# Altium PCB TransceiverBoard.PcbDoc (part 2 of 2)
Units mm, origin at the board's own origin, x right, y up, seen from the top; angles counter-clockwise.
Board outline 34 x 75.5 mm, 4 copper layers (Top Layer, Layer 2, Layer 1, Bottom Layer), stack 1.587 mm thick; 121 components, 81 nets, 431 pads, 226 vias.
Unrouted connection lines stored in the file: 2.
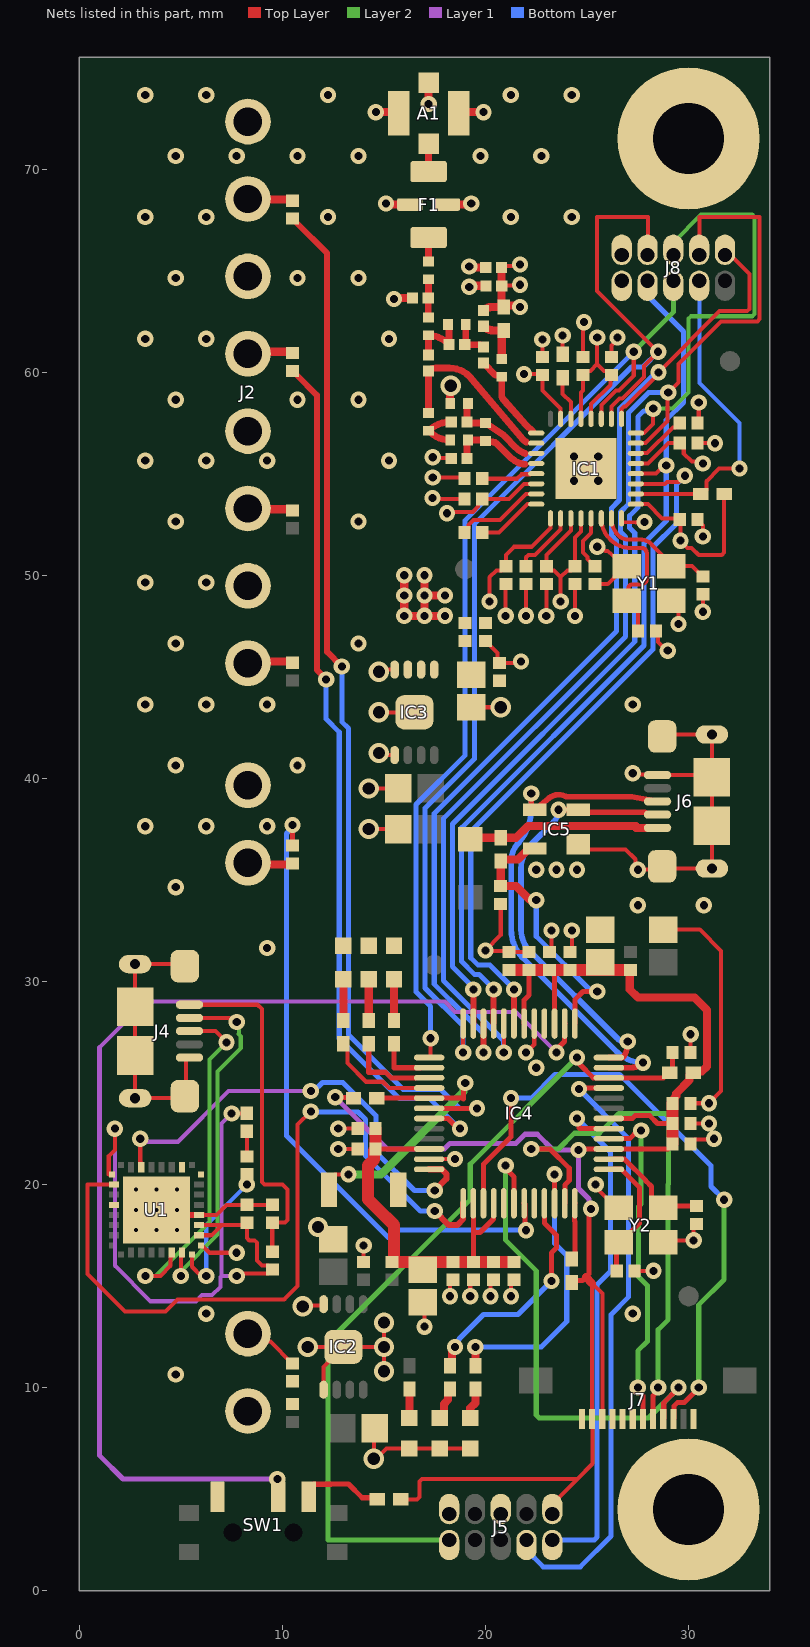
[diagram p4: the nets of this part, all layers, seen from the top]

## Via types
v1: diameter 0.8, hole 0.4, Top Layer to Bottom Layer, 199 vias
v2: diameter 1, hole 0.6, Top Layer to Bottom Layer, 14 vias
v3: diameter 0.5, hole 0.2, Top Layer to Bottom Layer, tented top, 9 vias
v4: diameter 0.8/0.8/0.8/0.8 (per signal layer), hole 0.4, Top Layer to Bottom Layer, 4 vias

## Nets (pads, with @x,y where several pads share a name; then routed paths per layer and width w, separated by ;. In a path a pad name is that pad's centre, name@x,y a point inside that pad or via, vN(x,y) a via of type N, cw(c..) or ccw(c..) an arc to the next point about the centre after c; other vN are vias at no path point) (continued)
ADC_IN2: FB6.2 IC4.7 | length 43.4
  Top Layer w0.25: IC4.7@17.225,23.25 17.231,23.244 18.148,23.244 18.643,22.75 v1(18.75,22.75)
  Top Layer w0.3: FB6.2@10.5,60.06 10.52,60.06 10.67,59.91 10.67,59.89 11.7,58.86 11.7,45.344 12.153,44.892 v1(12.153,44.869)
  Bottom Layer w0.25: v1(12.153,44.869) 12.153,42.92 12.8,42.273 12.8,27.189 15.764,24.225 17.25,24.225 18.725,22.75 v1(18.75,22.75)
ADC_IN3: FB7.2 IC4.6 | length 51.5
  Top Layer w0.25: IC4.6@17.225,23.75 18.912,23.75 v1(19.584,23.75)
  Top Layer w0.3: FB7.2@10.5,67.56 10.52,67.56 10.67,67.41 10.67,67.39 12.2,65.86 12.2,46.229 v1(12.926,45.503)
  Bottom Layer w0.25: v1(12.926,45.503) 12.926,42.784 13.25,42.459 13.25,27.375 15.318,25.307 15.95,24.675 17.8,24.675 18.725,23.75 v1(19.584,23.75)
BALUN_OUT: C18.2 L1.2 L3.1 | length 4.8
  Top Layer w0.335: C18.2@18.31,57.55 C18.2@18.262,57.55 ; L3.1@17.2,57.11 cw(c18.262,56.048) C18.2@18.262,57.55 ; L3.1@17.2,57.11 cw(c18.262,56.048) C18.2@18.262,57.55 ; L3.1@17.2,57.11 L3.1@17.236,57.074 ; L3.1@17.2,57.11 L3.1@17.236,57.074 ; L3.1@17.236,57.074 ccw(c18.26,58.099) L1.2@18.26,56.65 cw(c18.26,58.099) L3.1@17.236,57.074
CC_GP0: IC1.10 IC4.48 J8.4 | length 58.1
  Top Layer w0.2: v1(18.9,26.5) IC4.48@18.9,27.925 ; IC1.10@26.2,57.7 26.2,58.3 26.6,58.7 26.734,58.7 27.8,59.766 27.8,60.3 v1(28.5,61) 25.5,64 25.5,67.633 28,67.633 J8.4@28,66.02
  Bottom Layer w0.25: v1(18.9,26.5) 18.9,27.801 17.025,29.676 17.025,38.525 19.45,40.95 19.45,52.514 27.186,60.25 27.75,60.25 v1(28.5,61)
CC_GP2: IC1.4 IC4.45 J8.3 | length 44.5
  Top Layer w0.2: IC1.4@27.4,55 28.393,55 28.793,55.4 v1(28.9,55.4)
  Top Layer w0.3: IC4.45@20.4,27.925 v1(20.4,29.6)
  Bottom Layer w0.25: v1(20.4,29.6) 20.4,29.625 19.675,30.35 19.45,30.35 18.825,30.975 18.825,37.567 27.8,46.542 27.8,51.575 28.9,52.675 28.9,54.364 v1(28.9,55.4) 28.9,57.65 29.75,58.5 29.75,62 28,63.75 J8.3@28,64.75
CC_GP3: IC1.3 IC4.43 | length 35.1
  Top Layer w0.2: IC1.3@27.4,54.5 28.826,54.5 28.926,54.6 29.514,54.6 v1(29.814,54.9)
  Top Layer w0.3: IC4.43@21.4,27.925 v1(21.4,29.6)
  Bottom Layer w0.25: v1(21.4,29.6) 21.4,29.625 20.225,30.8 19.636,30.8 19.275,31.161 19.275,37.381 28.1,46.206 28.25,46.356 28.25,51.388 29.4,52.538 29.4,54.479 29.814,54.893 v1(29.814,54.9)
CC_MISO: IC1.9 IC4.46 J8.10 | length 53
  Top Layer w0.2: IC1.9@26.7,57.7 26.7,58.183 26.817,58.3 26.9,58.3 28.513,59.913 v1(28.513,59.987) 31.525,63 32.883,63 33,63.117 33,64.83 J8.10@31.81,66.02
  Top Layer w0.3: v1(19.9,26.5) IC4.46@19.9,27.925
  Bottom Layer w0.25: v1(19.9,26.5) 19.9,27.438 18.913,28.425 17.475,29.863 17.475,38.268 26.45,47.243 26.45,51.702 26.2,51.952 26.2,53.3 26.6,53.7 26.6,58.202 28.386,59.987 v1(28.513,59.987)
CC_MOSI: IC1.7 IC4.44 J8.8 | length 60.1
  Top Layer w0.2: v1(20.9,26.5) IC4.44@20.9,27.925 ; IC1.7@27.4,56.5 27.41,56.51 27.888,56.51 28.96,57.581 28.96,58.96 v1(29,59) 29.5,59.5 29.5,60.409 31.591,62.5 33.383,62.5 33.5,62.617 33.5,67.633 30.54,67.633 J8.8@30.54,66.02
  Bottom Layer w0.25: v1(20.9,26.5) 20.889,26.511 20.889,27.085 17.925,30.049 17.925,38.011 26.9,46.986 26.9,51.888 26.65,52.138 26.65,53.114 27.05,53.514 27.05,58.015 28.035,59 v1(29,59)
CC_RESET: IC1.2 J8.7 R1.1 | length 16.2
  Top Layer w0.2: IC1.2@27.4,54 R1.1@30.6,54 30.675,54 30.875,54.2 30.875,54.625 31.5,55.25 v1(32.5,55.25)
  Bottom Layer w0.2: J8.7@30.54,64.75 30.54,59.46 32.5,57.5 v1(32.5,55.25)
CC_SCLK: IC1.8 IC4.47 J8.6 | length 55.8
  Top Layer w0.2: IC1.8@27.4,57 27.41,57.01 27.81,57.01 28.247,57.447 28.247,58.187 v1(28.26,58.2)
  Top Layer w0.3: IC4.47@19.4,27.925 v1(19.4,29.6)
  Layer 1 w0.2: v1(28.26,58.2) v1@28.3,58.2
  Layer 2 w0.2: v1(28.26,58.2) 29.2,58.2 30,59 30,62.633 30.117,62.75 33.133,62.75 33.25,62.867 33.25,67.633 33.133,67.75 32.503,67.75 30.614,67.75 29.27,66.406 J8.6@29.27,66.02
  Bottom Layer w0.25: v1(19.4,29.6) 19.4,29.7 18.375,30.725 18.375,37.754 27.35,46.729 27.35,52.075 27.1,52.325 27.1,52.927 27.5,53.327 27.5,57.8 27.795,58.095 28.155,58.095 v1(28.26,58.2)
CC_SSEL: IC1.11 IC4.1 J8.5 | length 47.9
  Top Layer w0.2: IC4.1@17.225,26.25 17.263,26.25 17.3,26.287 v1(17.3,27.2) ; IC1.11@25.7,57.7 25.71,57.71 25.71,58.375 26.434,59.1 26.569,59.1 27.3,59.831 v1(27.3,61)
  Layer 2 w0.25: v1(27.3,61) 29.25,62.95 J8.5@29.25,64.5 ; J8.5@29.25,64.73 J8.5@29.27,64.75
  Bottom Layer w0.25: v1(17.3,27.2) 17.3,28.765 16.575,29.49 16.575,38.711 19,41.136 19,52.7 v1(27.3,61)
DAC_OUT: FB9.2 IC4.19 | length 31.8
  Top Layer w0.25: FB9.2@10.5,36.69 v1(10.5,37.7) ; IC4.19@21.9,19.075 21.935,19.04 21.935,17.815 v1(22,17.75)
  Bottom Layer w0.25: v1(10.5,37.7) 10.5,37.579 10.2,37.279 10.2,22.4 15.2,17.4 15.55,17.75 v1(22,17.75)
DCPL: C15.2 IC1.6 | length 2.8
  Top Layer w0.2: IC1.6@27.4,56 27.41,56.01 27.954,56.01 29.224,57.28 29.36,57.28 29.56,57.48 C15.2@29.56,57.5
DCPL_PFD: C17.2 IC1.26 | length 3.2
  Top Layer w0.2: C17.2@22,50.44 22,50.883 22.117,51 22.434,51 23.69,52.256 23.69,52.79 IC1.26@23.7,52.8
DCPL_VCO: C16.2 IC1.21 | length 2.8
  Top Layer w0.2: C16.2@19.84,54.75 21.55,54.75 21.77,54.97 22.181,54.97 22.211,55 IC1.21@22.5,55
DCPL_XO: C10.2 IC1.29 | length 2.8
  Top Layer w0.2: IC1.29@25.2,52.8 25.2,52.09 24.8,51.69 24.8,51.11 25.02,50.89 25.02,50.8 25.38,50.44 C10.2@25.4,50.44
GND: A1.G C1.1 C2.1 C3.1 C4.1 C5.1 C6.1 C7.1 C8.1 C9.1 C10.1 C11.1 C12.1 C13.2 C15.1 C16.1 C17.1 C21.1 C24.1 C25.1 C26.1 C27.1 C28.1 C29.1 C30.1 C31.1 C32.1 C33.1 C34.1 C35.1 C36.1 C37.1 C38.1 C39.1 C40.1 C41.1 C42.1 C43.1 C44.1 C45.1 C46.1 C47.1 C48.1 C49.1 C50.1 C51.1 C52.1 C53.1 C54.1 C55.1 C56.1 C57.1 C58.1 D2.2 D3.2 D4.2 DS1.2 DS2.2 DS3.2 F1.2 F1.4 IC1.32 IC1.33 IC2.4 IC2.5 IC2.9 IC3.4 IC3.5 IC3.9 IC4.11 IC4.17 IC4.20 IC4.40 IC4.41 IC5.1 J1.2 J2.2 J2.4 J2.6 J2.8 J3.2 J4.5 J4.S J5.5 J5.9 J6.5 J6.S J7.1 J7.7 J7.8 J7.9 J7.12 J8.1 L4.2 pad.M R2.2 SW1.1 SW3.2 U1.4 U1.17 U1.20 U1.24 U1.26 U1.33 Y1.2 Y1.4 Y2.2 Y2.4 | length 148.7
  Top Layer w0.2: J4.S@5.2,30.75 5.1,30.85 J4.S@2.75,30.85 J4.S@2.75,28.75 J4.S@2.75,26.35 J4.S@2.75,24.25 5.1,24.25 J4.S@5.2,24.35 5.25,24.4 5.25,26.158 5.342,26.25 J4.5@5.425,26.25 ; U1.20@5.9,18.5 6.75,18.5 7.25,19 C56.1@8.25,19 C55.1@9.5,19 ; U1.17@6,17 6.05,17 6.411,16.639 v1(7.748,16.639) ; C57.1@8.25,21.38 C58.1@8.25,22.62 ; J1.2@8.302,12.655 8.694,12.263 9.407,12.263 10.48,11.19 C29.1@10.5,11.19 ; v2(11,14) 11.053,14.052 11.972,14.052 IC2.4@12.025,14.105 ; v2(11.25,12) IC2.9@13,12 ; v2(11.75,17.906) 12.356,17.3 C27.1@12.5,17.3 ; IC2.5@12.025,9.895 12.025,11.017 13,11.992 IC2.9@13,12 ; v1(12.75,21.75) C45.1@13.71,21.75 ; v1(12.75,22.75) C44.1@13.71,22.75 ; C28.1@14,16.19 v1(14,17) ; v2(14.25,37.5) C30.1@15.7,37.5 ; v2(14.25,39.5) C31.1@15.7,39.5 ; C26.1@14.55,8 ccw(c14.55,7.95) 14.5,7.95 v2(14.5,6.5) 14.631,6.5 15.131,7 D3.2@17.75,7 D4.2@19.25,7 ; v2(14.75,43.25) IC3.9@16.5,43.25 ; v2(14.75,45.25) cw(c14.855,45.25) 14.855,45.355 IC3.4@15.525,45.355 ; v2(15,10.8) v2(15,12) ; v2(15,13.2) v2(15,12) ; IC3.5@15.525,41.145 v2@14.855,41.145 ; C43.1@16.9,14.2 17,14.1 v1(17,13) ; IC4.11@17.225,21.25 v1(18.5,21.25) ; v1(17.393,53.807) 17.45,53.75 C6.1@18.96,53.75 ; v1(17.401,54.807) 18.903,54.807 C16.1@18.96,54.75 ; v1(17.4,55.807) 17.429,55.779 18.281,55.779 C13.2@18.31,55.75 ; v1(18.25,14.5) 18.25,15.16 C49.1@18.4,15.31 ; v1(19.25,14.5) 19.25,15.16 C48.1@19.4,15.31 ; C32.1@19.3,43.5 v2(20.75,43.5) ; C34.1@20,46.76 20.02,46.76 20.22,46.56 20.22,46.54 20.597,46.163 20.597,45.783 C33.1@20.7,45.68 21.68,45.68 ccw(c21.68,45.75) v1(21.75,45.75) ; v1(20.25,14.5) 20.25,15.16 C46.1@20.4,15.31 ; C54.1@20.75,33.81 20.75,32.275 v1(20,31.525) 20.025,31.5 21.09,31.5 C41.1@21.15,31.44 C38.1@22.15,31.44 ; IC4.17@20.9,19.075 IC4.17@20.915,19.09 ; v1(20.993,48) 20.993,49.553 C3.1@21,49.56 ; v1(21.25,14.5) 21.25,15.16 C47.1@21.4,15.31 ; v1(21.993,48) 21.993,49.553 C17.1@22,49.56 ; v1(22,26.5) 22.4,26.9 IC4.41@22.4,27.925 ; IC4.20@22.4,19.075 IC4.20@22.415,19.09 ; v1(22.5,25.75) v1@22.5,25.794 ; C9.1@22.8,60.74 v1(22.8,61.6) ; v1(22.993,47.993) 22.993,49.553 C4.1@23,49.56 ; C40.1@23.15,31.44 23.25,31.54 v1(23.25,32.5) ; R2.2@23.8,60.875 v1(23.8,61.8) ; C39.1@24.15,31.44 24.25,31.54 v1(24.25,32.5) ; C1.1@24.4,49.56 24.407,49.553 v1(24.407,47.993) ; IC5.1@24.575,36.75 IC5.1@24.65,36.75 ; C8.1@24.8,60.74 24.8,62.41 v1(24.849,62.459) ; IC5.1@25,36.5 26.9,36.5 27.385,36.015 27.385,35.615 v1(27.5,35.5) 28.536,35.5 J6.S@28.696,35.66 28.796,35.56 J6.S@31.146,35.56 J6.S@31.146,37.66 J6.S@31.146,40.06 ; C10.1@25.4,49.56 26.02,49.56 26.35,49.89 26.35,49.95 Y1.4@26.85,50.45 ; v1(25.425,20) 25.498,20 25.615,19.883 25.615,19.685 26.45,18.85 Y2.2@26.55,18.85 ; C36.1@25.5,32.7 C36.1@25.65,32.55 ; v1(25.5,51.4) 25.7,51.4 25.9,51.2 26.017,51.2 Y1.4@26.85,50.45 ; C5.1@26.2,60.74 26.2,61.306 26.5,61.606 v1(26.5,61.7) v1@26.615,61.815 ; J8.1@26.615,64.635 J8.1@26.73,64.75 ; IC1.32@26.7,52.8 26.7,52.621 27.4,52.6 27.8,52.6 v1(27.825,52.625) ; Y1.4@26.95,50.45 Y1.4@26.85,50.45 ; v1(27.25,40.25) 27.302,40.198 28.433,40.198 J6.5@28.471,40.16 31.046,40.16 J6.S@31.146,40.06 ; C52.1@27.34,15.75 28.25,15.75 28.253,15.747 v1(28.268,15.747) ; C11.1@28.39,47.25 28.5,47.14 28.5,46.717 28.931,46.286 v1(28.972,46.286) ; C35.1@28.65,32.6 28.5,32.75 C35.1@28.75,33 ; J6.S@28.696,42.06 28.796,42.16 J6.S@31.146,42.16 J6.S@31.146,40.06 ; Y2.4@28.75,17.15 28.85,17.25 v1(30.25,17.25) 30.25,17.91 C51.1@30.4,18.06 ; C35.1@28.75,32.55 30.55,32.55 31.6,31.5 31.6,24.6 v1(31,24) C53.1@30.09,24 ; Y1.2@29.15,48.75 29.5,48.4 v1(29.5,47.6) ; C37.1@30.09,22 30.09,22.02 30.29,22.22 31.22,22.22 v1(31.25,22.25) ; C42.1@30.09,23 v1(31,23) ; C50.1@30.09,26.5 30.1,26.51 v1(30.1,27.4) ; C2.1@30.44,56.5 v1(31.3,56.5) ; C15.1@30.44,57.5 30.5,57.56 v1(30.5,58.5) ; v1(30.7,48.2) C12.1@30.7,49.06 ; v1(30.7,51.9) C7.1@30.7,52.44 ; IC2.9@13,12 v2(15,12) ; v2@14.855,41.145 cw(c14.855,41.25) v2(14.75,41.25) ccw(c14.855,41.25) v2@14.855,41.145 ; C7.1@30.7,52.44 30.39,52.75 30.415,52.725 C7.1@30.7,52.44
  Top Layer w0.3: U1.33@5.2,18.5 U1.20@6.094,18.5
  Top Layer w0.4: v1(14.6,72.8) 15.604,72.8 cw(c15.604,72.629) A1.G@15.725,72.75 ; v1(15.5,63.6) cw(c15.621,63.479) 15.621,63.65 C21.1@16.4,63.65 ; F1.2@16.273,68.25 v1@15.221,68.25 ; v1(17.2,73.2) A1.G@17.2,74.25 ; F1.4@18.128,68.25 19.179,68.25 ccw(c19.179,68.421) v1(19.3,68.3) ; L4.2@18.26,58.45 18.26,59.173 cw(c18.66,59.173) v2(18.292,59.329) ; A1.G@18.675,72.75 cw(c18.796,72.629) 18.796,72.8 v1(19.9,72.8) ; v1(19.2,64.2) cw(c19.321,64.079) 19.321,64.25 C25.1@20.02,64.25 ; v1(19.2,65.2) ccw(c19.321,65.321) 19.321,65.15 C24.1@20.01,65.15 ; v1@15.221,68.25 cw(c15.221,68.421) v1(15.1,68.3) ccw(c15.221,68.421) v1@15.221,68.25
  Layer 2 w0.2: v1@25.285,20 v1(25.425,20)
  Bottom Layer w0.4: v3(2.8,18.75) v3(3.8,18.75) v3(4.8,18.75)
  other v1: 4.748,10.639 6.248,13.639 27.248,13.639 9.248,31.639 27.5,33.75 30.75,33.75 4.748,34.639 22.5,35.5 23.5,35.5 24.5,35.5 3.248,37.639 6.248,37.639 9.248,37.639 4.748,40.639 10.748,40.639 3.248,43.639 6.248,43.639 9.248,43.639 27.248,43.639 4.748,46.639 13.748,46.639 3.248,49.639 6.248,49.639 4.748,52.639 13.748,52.639 3.248,55.639 6.248,55.639 9.248,55.639 15.248,55.639 4.748,58.639 10.748,58.639 13.748,58.639 3.248,61.639 6.248,61.639 15.248,61.639 4.748,64.639 10.748,64.639 13.748,64.639 3.248,67.639 6.248,67.639 12.248,67.639 21.248,67.639 24.248,67.639 4.748,70.639 7.748,70.639 10.748,70.639 13.748,70.639 19.748,70.639 22.748,70.639 3.248,73.639 6.248,73.639 12.248,73.639 21.248,73.639 24.248,73.639
  other v3: 2.8,17.75 3.8,17.75 4.8,17.75 2.8,19.75 3.8,19.75 4.8,19.75
  other v4: 24.35,54.65 25.55,54.65 24.35,55.85 25.55,55.85
ISP_0: IC4.5 R4.2 SW3.1 | length 14.5
  Top Layer w0.2: SW3.1@12.3,19.75 12.3,20.2 12.6,20.5 v1(13.25,20.5)
  Top Layer w0.25: R4.2@14.65,24.25 IC4.5@17.225,24.25 18.862,24.25 18.912,24.2 18.912,24.912 v1(19,25)
  Layer 2 w0.4: v1(13.25,20.5) 14.856,20.5 18.923,24.567 18.923,24.923 v1(19,25)
ISP_1: IC4.24 R5.2 | length 2.8
  Top Layer w0.25: R5.2@24.25,16.325 ccw(c23.888,16.687) 24.4,16.687 24.4,18.175 24.375,18.2 24.375,19.05 IC4.24@24.4,19.075
LED_LINK: IC4.21 R9.1 | length 11.4
  Top Layer w0.25: IC4.21@22.9,19.075 22.906,19.069 22.906,18.094 23.5,17.5 23.5,16.887 23.25,16.637 v1(23.25,15.25)
  Top Layer w0.4: R9.1@18.25,11.075 18.35,11.175 18.35,11.742 18.5,11.892 v1(18.5,12)
  Bottom Layer w0.25: v1(18.5,12) 18.5,12.149 18.698,12.347 18.698,12.398 19.9,13.6 21.6,13.6 v1(23.25,15.25)
LED_RF0: IC4.2 R11.1 | length 2.5
  Top Layer w0.25: R11.1@15.5,26.925 15.5,25.75 IC4.2@16.788,25.75
LED_RF1: IC4.3 R12.1 | length 3.8
  Top Layer w0.25: R12.1@14.25,26.925 14.25,25.528 15.086,25.528 15.364,25.25 IC4.3@16.547,25.25
LED_RF2: IC4.4 R13.1 | length 5.6
  Top Layer w0.2: R13.1@13,26.925 13.2,26.725 13.2,25.977 14.118,25.059 14.941,25.059 15.249,24.75 IC4.4@17.225,24.75
LED_STATUS: IC4.22 R10.1 | length 14.9
  Top Layer w0.25: IC4.22@23.4,19.075 v1(23.4,20.5)
  Top Layer w0.4: R10.1@19.5,11.075 v1(19.5,12)
  Bottom Layer w0.25: v1@19.548,12.048 v1(19.5,12) 22.75,12 24,13.25 24,16.501 23.4,17.101 v1(23.4,20.5)
LNA_N: C13.1 IC1.20 L1.1 L2.1 | length 6.9
  Top Layer w0.335: 20.367,56.563 L2.1@20,56.61 ; 21.956,55.465 cw(c21.955,56.169) 21.734,55.501 ; L1.1@19.09,56.529 cw(c19.261,56.529) L1.1@19.14,56.65 ; L1.1@19.09,56.529 cw(c19.261,56.529) L1.1@19.14,56.65 ; L1.1@19.09,56.529 C13.1@19.09,55.75 L1.1@19.09,56.529 ; L1.1@19.14,56.65 L2.1@19.903,56.65 ; L1.1@19.14,56.65 L2.1@19.903,56.65 ; L2.1@19.903,56.65 cw(c19.903,56.513) L2.1@20,56.61 ; L2.1@19.903,56.65 cw(c19.903,56.513) L2.1@20,56.61 ; 20.475,56.529 ccw(c20.323,56.231) 20.368,56.563 cw(c20.323,56.231) 20.475,56.529 ; 20.475,56.529 20.48,56.527 ; 20.475,56.529 20.48,56.527 ; 20.48,56.527 cw(c20.329,56.228) 20.567,56.463 ; 20.48,56.527 cw(c20.329,56.228) 20.567,56.463 ; 20.567,56.463 20.568,56.462 ; 20.567,56.463 20.568,56.462 ; 20.568,56.462 21.104,55.911 ; 21.104,55.911 21.106,55.91 ; 21.104,55.911 21.106,55.91 ; 21.106,55.91 ccw(c22.434,57.204) 21.593,55.551 ; 21.106,55.91 ccw(c22.434,57.204) 21.593,55.551 ; 21.593,55.551 21.595,55.55 ; 21.593,55.551 21.595,55.55 ; 21.595,55.55 ccw(c21.745,55.85) 21.64,55.532 ; 21.595,55.55 ccw(c21.745,55.85) 21.64,55.532 ; 21.64,55.531 21.734,55.501 ; 21.64,55.531 21.734,55.501
LNA_P: C18.1 IC1.19 L2.2 L4.1 | length 6.7
  Top Layer w0.335: C18.1@19.09,57.55 ccw(c19.235,57.695) 19.235,57.49 L2.2@20,57.49 20.805,56.957 ; C18.1@19.09,57.55 L4.1@19.09,58.329 ; C18.1@19.09,57.55 L4.1@19.09,58.329 ; L4.1@19.09,58.329 cw(c19.261,58.329) L4.1@19.14,58.45 ccw(c19.261,58.329) L4.1@19.09,58.329 ; 20.805,56.957 cw(c20.326,56.23) 20.951,56.836 ; 20.805,56.957 cw(c20.326,56.23) 20.951,56.836 ; 20.951,56.836 21.487,56.285 ; 20.951,56.836 21.487,56.285 ; 21.487,56.285 21.49,56.283 ; 21.487,56.285 21.49,56.283 ; 21.49,56.283 ccw(c22.225,57) 21.835,56.05 ; 21.49,56.283 ccw(c22.225,57) 21.835,56.05 ; 21.835,56.05 ccw(c21.955,56.169) 21.955,56 cw(c21.955,56.169) 21.835,56.05
LPF0: C14.2 IC1.23 | length 4.4
  Top Layer w0.2: C14.2@18.96,52.1 19.16,52.3 19.16,52.464 19.416,52.72 20.715,52.72 21.985,53.99 22.49,53.99 IC1.23@22.5,54
LPF1: C14.1 IC1.24 | length 3.2
  Top Layer w0.2: C14.1@19.84,52.1 20.66,52.1 22.06,53.5 IC1.24@22.5,53.5
MCU_VDD: C36.2 C37.2 C38.2 C39.2 C40.2 C41.2 C42.2 C53.2 FB3.1 IC4.27 IC4.30 IC4.39 IC4.42 J5.1 J7.10 J7.11 R4.1 R5.1 R6.1 R14.1 | length 83.4
  Top Layer w0.2: R14.1@15.825,4.5 16.633,4.5 16.75,4.617 16.75,5.383 16.867,5.5 24.481,5.5 24.501,5.481 ; J5.1@23.29,3.77 23.29,4.27 24.501,5.481 ; J7.10@25.75,8.45 25.75,14.629 25.25,15.129 J7.11@25.25,8.45 25.27,8.43 25.27,6.25 24.501,5.481
  Top Layer w0.25: v1(12.6,24.3) 12.625,24.275 13.475,24.275 R4.1@13.5,24.25 ; IC4.42@21.9,27.925 21.9,29.075 22.15,29.325 C38.2@22.15,30.56 ; C40.2@23.17,30.56 23.4,30.33 IC4.39@23.4,27.925 ; R5.1@24.25,15.175 24.354,15.279 24.779,15.279 24.939,15.439 25.1,15.6 25.1,18.7 v1(25.2,18.8) ; v1(24.575,21.7) 24.625,21.75 IC4.27@26.075,21.75 28.98,21.75 29.21,21.98 C37.2@29.21,22 ; IC4.30@26.075,23.25 27.225,23.25 27.362,23.388 28.085,23.388 28.473,23 29.19,23 29.21,23.02 C42.2@29.21,23 ; C53.2@29.21,24 C53.2@29.31,24.1 ; R6.1@30.05,25.4 30.15,25.5 R6.1@30.225,25.5
  Top Layer w0.4: 24.939,15.439 25.25,15.129 ; FB3.1@27.15,30.56 27.1,30.51 27.1,29.6 27.5,29.2 30.3,29.2 30.9,28.6 30.9,25.809 30.666,25.574 30.299,25.574 R6.1@30.225,25.5 ; C53.2@29.31,24.1 29.31,24.274 29.39,24.354 29.39,24.486 30.05,25.146 R6.1@30.05,25.4
  Top Layer w0.6: C41.2@21.15,30.56 C38.2@22.15,30.56 FB3.1@27.15,30.56 ; C37.2@29.21,22 C42.2@29.21,23 ; C42.2@29.21,23.02 C53.2@29.21,24
  Layer 1 w0.25: v1(12.6,24.3) 15.15,21.75 17.975,21.75 18.25,22.025 21.5,22.025 21.95,22.475 22.55,22.475 23.325,21.7 v1(24.575,21.7) 24.575,19.8 25.095,19.28 25.095,18.905 v1(25.2,18.8)
MCU_VDDA: C43.2 C44.2 C45.2 C46.2 C47.2 C48.2 C49.2 FB8.1 IC4.10 IC4.14 IC4.16 | length 20.9
  Top Layer w0.25: C45.2@14.59,21.75 IC4.10@17.225,21.75 ; C48.2@19.4,16.19 19.4,17.633 ; IC4.14@19.4,19.075 19.4,17.633 ; IC4.16@20.4,19.075 20.394,19.069 20.394,18.302 19.725,17.633 19.4,17.633
  Top Layer w0.6: C44.2@14.59,22.75 C45.2@14.59,21.75 14.51,21.67 14.51,21.223 14.217,20.93 14.217,19.276 15.093,18.4 15.1,18.4 15.5,18 15.5,16.29 15.42,16.21 FB8.1@15.42,16.19 ; FB8.1@15.4,16.19 FB8.1@15.42,16.19 ; C47.2@21.4,16.19 C46.2@20.4,16.19 C48.2@19.4,16.19 C49.2@18.4,16.19 FB8.1@15.42,16.19
NetA1_S: A1.S F1.1 | length 1.4
  Top Layer w0.335: F1.1@17.2,69.875 A1.S@17.2,71.25
NetC19_1: C19.1 C22.1 L5.2 L6.1 | length 5.1
  Top Layer w0.335: L5.2@18.15,62.35 cw(c18.029,62.229) 18.2,62.229 18.2,61.428 C22.1@18.2,61.35 C22.1@18.122,61.428 ; L6.1@17.2,61.81 cw(c17.2,60.506) C22.1@18.122,61.428 ; L6.1@17.2,61.81 cw(c17.2,60.506) C22.1@18.122,61.428 ; L6.1@17.2,61.81 C19.1@17.2,60.84 L6.1@17.2,61.81
NetC20_2: C20.2 C22.2 L5.1 | length 2.1
  Top Layer w0.335: C22.2@19.03,61.35 C22.2@18.98,61.35 ; L5.1@19.03,62.35 C22.2@19.03,61.471 ; C20.2@19.9,61.23 ccw(c19.61,60.94) 19.61,61.35 C22.2@18.98,61.35 ; C22.2@18.98,61.35 ccw(c18.859,61.471) C22.2@19.03,61.471 ; C22.2@18.98,61.35 ccw(c18.859,61.471) C22.2@19.03,61.471
NetC21_2: C21.2 L6.2 L7.1 | length 2.9
  Top Layer w0.335: L7.1@17.2,64.57 17.2,63.698 cw(c17.132,63.698) C21.2@17.18,63.65 ; L6.2@17.18,62.738 ccw(c17.248,62.738) L6.2@17.2,62.69 cw(c17.248,62.738) L6.2@17.18,62.738 ; L6.2@17.18,62.738 C21.2@17.18,63.65 ; L6.2@17.18,62.738 C21.2@17.18,63.65
NetC23_2: C23.2 L8.2 R3.2 | length 3.8
  Top Layer w0.4: L8.2@20.8,60.65 R3.2@20.8,61.809 ; 20.407,62.05 cw(c20.407,62.767) C23.2@19.9,62.26 ccw(c20.407,62.767) 20.407,62.05 ; 20.407,62.05 R3.2@20.9,62.05 ; 20.407,62.05 R3.2@20.9,62.05 ; R3.2@20.8,61.809 cw(c21.141,61.809) R3.2@20.9,62.05 ; R3.2@20.8,61.809 cw(c21.141,61.809) R3.2@20.9,62.05
NetC51_2: C51.2 IC4.26 Y2.1 | length 5.7
  Top Layer w0.25: IC4.26@26.075,21.25 26.081,21.244 26.848,21.244 27.911,20.182 27.911,20.161 28.175,19.896 28.175,19.325 28.65,18.85 Y2.1@28.75,18.85 28.84,18.94 C51.2@30.4,18.94
NetC52_2: C52.2 IC4.25 Y2.3 | length 6.5
  Top Layer w0.25: IC4.25@26.075,20.75 26.685,20.75 27.575,19.86 27.575,18.075 26.65,17.15 Y2.3@26.55,17.15 26.46,17.06 C52.2@26.46,15.75
NetC55_2: C55.2 FB10.2 J4.1 | length 17.3
  Top Layer w0.2: J4.1@5.425,28.85 8.783,28.85 9,28.633 9,20.117 9.117,20 10,20 10.25,19.75 10.25,18.25 10.12,18.12 C55.2@9.5,18.12 FB10.2@9.5,16.69
NetC56_2: C56.2 C58.2 FB10.1 U1.1 U1.18 U1.19 | length 34.3
  Top Layer w0.2: U1.1@1.45,20.5 1.45,21.394 1.75,21.694 v1(1.75,22.75) ; U1.18@5.9,17.5 6.515,17.5 7.015,18 ; U1.19@5.9,18 7.015,18 ; v1(7.5,23.5) C58.2@8.25,23.5 ; v1(7.75,15.5) 7.86,15.61 9.28,15.61 9.4,15.73 9.4,15.91 9.3,16.01 8.99,16.01 8.75,16.25 8.75,17.133 8.633,17.25 8.367,17.25 8.25,17.367 C56.2@8.25,18.12 8.13,18 7.015,18
  Layer 1 w0.2: v1(1.75,22.75) 1.75,16 3.5,14.25 5.75,14.25 6.05,14.55 6.54,14.55 6.95,14.96 6.95,15.45 7,15.5 ; v1(7.5,23.5) 7,23 7,15.5 ; v1(7.75,15.5) 7,15.5
NetC57_2: C57.2 U1.16 | length 6.6
  Top Layer w0.2: 5.55,16.35 5.55,15.95 6,15.5 v1(6.25,15.5)
  Bottom Layer w0.2: v1(6.25,15.5) 6.25,18 v1(8.25,20)
NetD1_1: D1.1 J6.1 R7.2 | length 9.5
  Top Layer w0.4: D1.1@19.25,37 19.25,37.075 R7.2@20.75,37.075 21.509,37.075 22.084,37.65 27.406,37.65 ; 27.406,37.56 J6.1@28.471,37.56
NetD2_1: D2.1 R8.2 | length 1.4
  Top Layer w0.4: D2.1@16.25,8.5 R8.2@16.25,9.925
NetD3_1: D3.1 R9.2 | length 1.6
  Top Layer w0.4: D3.1@17.75,8.5 17.95,8.7 17.95,9.2 18.15,9.4 18.15,9.825 R9.2@18.25,9.925
NetD4_1: D4.1 R10.2 | length 1.5
  Top Layer w0.4: D4.1@19.25,8.5 19.25,9 19.5,9.25 R10.2@19.5,9.925
NetDS1_1: DS1.1 R11.2 | length 2
  Top Layer w0.4: R11.2@15.5,28.075 DS1.1@15.5,30.1
NetDS2_1: DS2.1 R12.2 | length 2
  Top Layer w0.4: R12.2@14.25,28.075 DS2.1@14.25,30.1
NetDS3_1: DS3.1 R13.2 | length 2.1
  Top Layer w0.4: R13.2@13,28 DS3.1@13,30.1
NetF1_3: F1.3 L7.2 | length 1.2
  Top Layer w0.335: L7.2@17.2,65.45 F1.3@17.2,66.625
NetFB4_1: FB4.1 J2.1 | length 4.3
  Top Layer w0.4: J2.1@8.302,45.665 cw(c8.507,45.46) J2.1@8.507,45.75 ; J2.1@8.507,45.75 10.56,45.75 J2.1@8.507,45.75
NetFB5_1: FB5.1 J2.3 | length 4.4
  Top Layer w0.4: J2.3@8.302,53.285 ccw(c8.386,53.369) J2.3@8.386,53.25 ; J2.3@8.387,53.25 10.56,53.25 J2.3@8.387,53.25
NetFB6_1: FB6.1 J2.5 | length 4.6
  Top Layer w0.4: J2.5@8.531,61 ccw(c8.531,60.676) 8.302,60.905 cw(c8.531,60.676) J2.5@8.531,61 ; J2.5@8.531,61 10.56,61 J2.5@8.531,61
NetFB7_1: FB7.1 J2.7 | length 4.5
  Top Layer w0.4: J2.7@8.302,68.525 ccw(c8.362,68.585) J2.7@8.362,68.5 ; J2.7@8.362,68.5 10.56,68.5 J2.7@8.362,68.5
NetFB9_1: FB9.1 J3.1 | length 4.6
  Top Layer w0.4: J3.1@8.531,35.75 cw(c8.531,36.074) 8.302,35.845 ccw(c8.531,36.074) J3.1@8.531,35.75 ; J3.1@8.531,35.75 10.56,35.75 J3.1@8.531,35.75
NetIC4_38: IC4.38 SW1.2 | length 55.4
  Top Layer w0.25: v1(23.5,26.5) 23.5,26.649 23.894,27.043 23.894,27.919 IC4.38@23.9,27.925
  Layer 1 w0.2: 1,26.75 3.25,29 18,29 18.5,28.5 21.5,28.5 v1(23.5,26.5)
  Layer 1 w0.25: 1,26.75 1,6.646 2.146,5.5 v1(9.75,5.5)
NetJ4_2: J4.2 U1.15 | length 17.2
  Top Layer w0.2: v1(5,15.5) 5,16.4 U1.15@5.05,16.45 ; J4.2@5.425,28.2 7.388,28.2 7.588,28 v1(7.75,28)
  Layer 2 w0.2: v1(5,15.5) 5,15.727 6.8,17.527 6.8,25.56 7.95,26.71 7.95,27.29 7.835,27.405 7.865,27.435 7.865,27.885 v1(7.75,28)
NetJ4_3: J4.3 U1.14 | length 17.4
  Top Layer w0.2: v1(3.25,15.5) 4,15.5 4.5,16 4.5,16.4 U1.14@4.55,16.45 ; J4.3@5.425,27.55 6.7,27.55 v1(7.25,27)
  Layer 2 w0.2: v1(3.25,15.5) 3.75,15.5 6.4,18.15 6.4,26.15 v1(7.25,27)
NetR14_2: R14.2 SW1.3 | length 4.2
  Top Layer w0.25: SW1.3@11.3,4.615 11.3,5.015 11.525,5.24 12.383,5.24 12.392,5.25 13.25,5.25 13.925,4.575 14.6,4.575 R14.2@14.675,4.5
OLED_D_C: IC4.23 J7.5 | length 27
  Top Layer w0.25: v1@22.355,21.855 v1(22.25,21.75) 23.175,21.75 24.125,20.8 24.125,20.2 23.906,19.98 23.906,19.081 IC4.23@23.9,19.075 ; J7.5@28.25,8.45 28.25,9.601 28.5,9.851 v1(28.5,10)
  Layer 2 w0.25: v1(22.25,21.75) 23.599,21.75 24.374,22.525 25.599,22.525 26.574,23.5 28.854,23.5 29,23.354 29,20.015 28.993,20.007 28.993,13.345 28.5,12.852 v1(28.5,10)
OLED_RESET: IC4.28 J7.6 | length 16.5
  Top Layer w0.25: IC4.28@26.075,22.25 26.081,22.256 27.107,22.256 27.514,22.663 v1(27.663,22.663) ; v1(27.5,10) 27.5,9.851 27.75,9.601 J7.6@27.75,8.45
  Layer 2 w0.25: v1(27.5,10) 27.5,11.808 27.973,12.281 27.973,15.017 27.543,15.447 27.543,18.921 27.663,19.04 v1(27.663,22.663)
OLED_SCLK: IC4.18 J7.4 | length 24.5
  Top Layer w0.25: v1(20.992,20.933) 20.992,20.784 21.4,20.376 IC4.18@21.4,19.075 ; J7.4@28.75,8.45 28.775,8.475 28.775,9.25 29.5,9.975 v1(29.5,10)
  Layer 2 w0.25: v1(20.992,20.933) 20.992,17.258 22.5,15.75 22.5,8.646 22.646,8.5 28.025,8.5 29.5,9.975 v1(29.5,10)
OLED_SDA: IC4.15 J7.3 | length 31.9
  Top Layer w0.25: IC4.15@19.9,19.075 19.9,21.001 21.25,22.351 v1(21.25,24.25) ; J7.3@29.25,8.45 29.275,8.475 29.275,9.085 29.465,9.275 29.8,9.275 30.5,9.975 v1(30.5,10)
  Layer 2 w0.25: v1(30.5,10) 30.5,14.074 31.75,15.324 v1(31.75,19.25)
  Bottom Layer w0.25: v1(21.25,24.25) 22.25,24.25 23.425,25.425 26.6,25.425 31.098,20.928 31.098,19.902 v1(31.75,19.25)
PA: C20.1 IC1.17 L8.1 | length 4.5
  Top Layer w0.335: C20.1@19.9,60.45 19.9,60.445 20.502,59.843 20.727,59.843 L8.1@20.8,59.77 20.8,58.841 20.804,58.816 ccw(c21.135,58.867) 20.88,58.65 20.913,58.611 ; 20.919,58.604 22,57.4 IC1.17@22.329,57.071
RBIAS: IC1.14 R2.1 | length 2.2
  Top Layer w0.2: R2.1@23.8,59.725 23.8,58.919 24.2,58.519 IC1.14@24.2,57.7
RESET: C50.2 IC4.34 J5.10 R6.2 | length 41
  Top Layer w0.25: v1(24.5,26.25) 24.605,26.145 24.605,25.952 25.302,25.256 26.069,25.256 IC4.34@26.075,25.25 28.75,25.25 29,25.5 R6.2@29.075,25.5 29.21,25.635 C50.2@29.21,26.5
  Layer 2 w0.25: J5.10@18.21,2.5 12.25,2.5 12.25,12.25 19.25,19.25 19.25,21 v1(24.5,26.25)
SWCLK: IC4.29 J5.2 | length 25.8
  Top Layer w0.25: v1(24.5,23.25) 24.605,23.145 24.605,22.795 24.65,22.75 IC4.29@26.075,22.75
  Bottom Layer w0.25: J5.2@23.29,2.5 25.354,2.5 25.5,2.646 25.5,15.073 26.15,15.723 26.15,21.6 v1(24.5,23.25)
SWDIO: IC4.33 J5.4 | length 30.5
  Top Layer w0.25: v1(24.6,24.7) 24.65,24.75 IC4.33@26.075,24.75
  Bottom Layer w0.25: J5.4@22.02,2.5 22.02,2 22.845,1.175 24.665,1.175 26.175,2.685 26.175,13.591 27.05,14.466 27.05,22.25 v1(24.6,24.7)
TRX_SW: C19.2 IC1.18 L3.2 | length 12.7
  Top Layer w0.335: 22.023,56.551 cw(c22.225,57) 21.85,56.681 19.22,59.779 ccw(c18.964,59.562) 19.2,59.8 ; C19.2@17.2,60.06 cw(c17.538,59.722) 17.538,60.2 ; C19.2@17.2,60.06 cw(c17.538,59.722) 17.538,60.2 ; C19.2@17.2,60.06 L3.2@17.2,57.99 C19.2@17.2,60.06 ; 17.538,60.2 18.234,60.2 ; 17.538,60.2 18.234,60.2 ; 18.234,60.2 cw(c18.234,58.834) 19.2,59.8 ; 18.234,60.2 cw(c18.234,58.834) 19.2,59.8
UART_RX: IC4.12 U1.30 | length 22.4
  Top Layer w0.2: v1(3,22.25) 3,21.1 U1.30@3.05,21.05 ; v1@11.209,24.6 v1@11.304,24.696
  Top Layer w0.3: IC4.12@17.225,20.75 17.85,20.75 18.076,20.524 18.076,20.276 v1(17.5,19.7)
  Layer 1 w0.2: v1@2.896,22.104 4.854,22.104 7.35,24.6 v1(11.4,24.6)
  Bottom Layer w0.25: v1(11.4,24.6) 11.549,24.6 11.974,25.025 12.975,25.025 14.6,23.4 14.6,21.6 16.5,19.7 v1(17.5,19.7)
UART_TX: IC4.13 U1.2 | length 38
  Top Layer w0.2: U1.2@1.7,20 0.4,20 0.4,15.6 2.25,13.75 4.25,13.75 4.839,14.339 10.089,14.339 10.75,15 10.75,22.95 v1(11.4,23.6)
  Top Layer w0.3: v1(17.5,18.7) 18.2,18 18.6,18 18.9,18.3 IC4.13@18.9,19.075
  Bottom Layer w0.25: v1(11.4,23.6) 11.425,23.575 13.725,23.575 14.1,23.2 14.1,21.393 16.793,18.7 v1(17.5,18.7)
USB_VBUS_I: C54.2 IC4.37 IC5.4 R7.1 | length 14.4
  Top Layer w0.25: IC4.37@24.4,27.925 24.4,29.1 24.8,29.5 v1(25.5,29.5)
  Top Layer w0.4: IC5.4@22.425,36.55 22.15,36.55 21.6,36 ; v1(22.5,34) 22.2,34 21.51,34.69 C54.2@20.75,34.69 R7.1@20.75,35.925 R7.1@20.75,36 ; R7.1@20.75,36 21.6,36 ; R7.1@20.75,36 21.6,36
  Bottom Layer w0.25: v1(22.5,34) 22.5,32.225 25.225,29.5 v1(25.5,29.5)
USBD_N: IC4.36 IC5.2 J6.2 | length 24.3
  Top Layer w0.278: IC5.2@24.575,38.45 24.705,38.32 27.852,38.32 27.963,38.21 J6.2@28.471,38.21
  Top Layer w0.284: v1(23.6,38.45) v1@23.982,38.45 ; v1@23.983,38.45 IC5.2@24.575,38.45 ; IC4.36@26.075,26.25 IC4.36@26.75,26.25 ; IC4.36@26.75,26.25 ccw(c26.24,26.76) v1@26.961,26.76 ; IC4.36@26.75,26.25 ccw(c26.24,26.76) v1@26.961,26.76 ; v1@26.961,26.76 v1@26.961,26.894 ; v1@26.961,26.894 cw(c27.246,26.894) v1(27.005,27.045) ccw(c27.246,26.894) v1@26.961,26.894
  Bottom Layer w0.284: v1(23.6,38.45) cw(c22.755,38.45) 23.353,37.853 22.25,36.75 ; 21.75,32.548 ccw(c23.24,32.552) 22.185,31.5 ; 21.75,32.548 ccw(c23.24,32.552) 22.185,31.5 ; 21.75,32.548 21.75,35.543 ; 21.75,35.543 cw(c23.457,35.543) 22.25,36.75 ; 21.75,35.543 cw(c23.457,35.543) 22.25,36.75 ; 22.185,31.5 26.489,27.196 ccw(c26.961,27.668) v1@26.803,27.019 ; v1@26.803,27.019 ccw(c26.871,27.295) v1(27.005,27.045) cw(c26.871,27.295) v1@26.803,27.019
USBD_P: IC4.35 IC5.3 J6.3 | length 31.5
  Top Layer w0.284: v1(22.25,39.25) 22.25,38.608 22.408,38.45 IC5.3@22.425,38.45 23.13,39.024 cw(c23.6,38.45) 23.92,39.12 ccw(c24.042,39.376) 24.042,39.092 27.206,39.092 27.211,39.087 J6.3@28.471,38.86 ; IC4.35@26.075,25.75 27.147,25.75 ; 27.147,25.75 ccw(c27.147,26.603) v1(27.75,26) cw(c27.147,26.603) 27.147,25.75
  Bottom Layer w0.284: v1(22.25,39.25) 22.25,38.487 ; v1@27.473,26.043 v1@27.484,26.043 ; v1(27.75,26) cw(c27.75,27.81) 27.52,26.015 cw(c27.75,27.81) v1@27.375,26.039 ; 21.266,32.552 ccw(c23.24,32.552) 21.843,31.157 ; 21.266,32.552 ccw(c23.24,32.552) 21.843,31.157 ; 21.266,32.552 21.266,35.927 ; 21.266,35.927 cw(c22.557,35.927) 21.552,36.738 ; 21.266,35.927 cw(c22.557,35.927) 21.552,36.738 ; 21.552,36.738 cw(c22.557,35.927) 21.644,36.84 ; 21.552,36.738 cw(c22.557,35.927) 21.644,36.84 ; 21.644,36.84 ccw(c19.71,38.487) 22.25,38.487 ; 21.644,36.84 ccw(c19.71,38.487) 22.25,38.487 ; 21.843,31.157 26.47,26.53 ; 26.47,26.53 ccw(c27.75,27.81) v1@27.375,26.039 ; 26.47,26.53 ccw(c27.75,27.81) v1@27.375,26.039
VDD_CC: C1.2 C2.2 C3.2 C4.2 C5.2 C6.2 C7.2 C8.2 C9.2 C23.1 C24.2 C25.2 C34.2 FB2.1 IC1.1 IC1.5 IC1.12 IC1.13 IC1.15 IC1.22 IC1.25 IC1.27 IC1.28 J8.2 R1.2 R3.1 | length 58.4
  Top Layer w0.2: v1(18.1,53.05) 18.17,53.12 19.374,53.12 19.64,53.386 19.64,53.55 C6.2@19.84,53.75 21.15,53.75 21.9,54.5 IC1.22@22.5,54.5 ; v1(20.2,48.7) 20.2,49.9 20.54,50.24 20.8,50.24 C3.2@21,50.44 21,51 21.4,51.4 22.269,51.4 23.19,52.322 23.19,52.79 IC1.25@23.2,52.8 ; C24.2@20.79,65.15 20.865,65.225 21.625,65.225 v1(21.7,65.3) ; C25.2@20.8,64.25 20.825,64.275 21.675,64.275 v1(21.7,64.3) ; v1(21.9,59.9) 22.76,59.9 C9.2@22.8,59.86 22.8,59.1 23.69,58.21 23.69,57.71 IC1.15@23.7,57.7 ; v1(23.7,48.7) 23.7,49.904 ; IC1.27@24.2,52.8 24.2,52.2 23,51 C4.2@23,50.44 23.2,50.24 23.364,50.24 23.7,49.904 ; IC1.28@24.7,52.8 24.7,52.156 24.4,51.856 24.4,50.944 C1.2@24.4,50.44 24.2,50.24 24.036,50.24 23.7,49.904 ; IC1.13@24.7,57.7 24.7,59 24.8,59.1 C8.2@24.8,59.86 25,60.06 25.164,60.06 25.5,60.396 ; IC1.12@25.2,57.7 25.2,58.431 26.146,59.377 26.146,59.806 C5.2@26.2,59.86 26,60.06 25.836,60.06 25.5,60.396 ; v1(25.5,61.7) 25.5,60.396 ; IC1.1@27.4,53.5 28,53.5 28.7,52.8 29.51,52.8 C7.2@29.56,52.75 C7.2@29.76,52.95 ; IC1.5@27.4,55.5 28.01,55.5 29.01,56.5 C2.2@29.56,56.5 29.76,56.3 29.76,56 30.16,55.6 30.6,55.6 v1(30.7,55.5) ; C7.2@29.51,52.75 29.4,52.64 29.6,52.44 v1(29.6,51.7) 29.95,51.35 30.15,51.35 30.5,51 31.633,51 31.75,51.117 R1.2@31.75,54
  Top Layer w0.4: v1(16,50) v1(16,49) v1(16,48) v1(17,48) ; v1(17,50) v1(17,49) ; v1(18,48) v1(17,48) ; v1(18,49) v1(17,49) ; C24.2@20.79,65.15 R3.1@20.79,63.466 ; R3.1@20.978,63.278 R3.1@20.79,63.466 ; v1(21.7,63.2) 21.623,63.277 20.979,63.277 R3.1@20.79,63.466 ; v1(17,48) v1(17,49) ; 20.286,63.2 ccw(c20.286,62.654) C23.1@19.9,63.04 cw(c20.286,62.654) 20.286,63.2 ; 20.286,63.2 R3.1@20.9,63.2 ; R3.1@20.79,63.466 ccw(c21.166,63.466) R3.1@20.9,63.2 ; R3.1@20.79,63.466 ccw(c21.166,63.466) R3.1@20.9,63.2
VIN: C29.2 FB1.2 J1.1
VO_CC: C32.2 C33.2 FB2.2 IC3.1 IC3.2 IC3.3
XO_Q1: C11.2 IC1.30 Y1.1 | length 12.9
  Top Layer w0.2: C11.2@27.51,47.25 27.51,48.25 Y1.1@27.01,48.75 ; 26.124,51.776 cw(c27.149,52.8) IC1.30@25.7,52.8 ccw(c27.149,52.8) 26.124,51.776 ; 26.124,51.776 26.16,51.74 ; 26.124,51.776 26.16,51.74 ; 26.16,51.74 ccw(c26.3,51.882) 26.176,51.726 26.361,51.579 ccw(c26.734,52.049) 26.429,51.532 ; 26.429,51.532 ccw(c27.1,52.678) 26.77,51.392 ; 26.429,51.532 ccw(c27.1,52.678) 26.77,51.392 ; 26.77,51.392 26.859,51.369 ; 26.77,51.392 26.859,51.369 ; 26.859,51.369 ccw(c27.008,51.95) 27.008,51.35 ; 26.859,51.369 ccw(c27.008,51.95) 27.008,51.35 ; Y1.1@26.95,48.75 cw(c29.244,48.75) 27.047,49.409 ; Y1.1@26.95,48.75 cw(c29.244,48.75) 27.047,49.409 ; Y1.1@26.95,48.75 Y1.1@27.01,48.75 ; Y1.1@26.95,48.75 Y1.1@27.01,48.75 ; 27.008,51.35 27.65,51.35 ; 27.008,51.35 27.65,51.35 ; 27.047,49.409 cw(c27.238,49.35) 27.239,49.55 27.65,49.55 ccw(c27.65,49.85) 27.95,49.85 ; 27.65,51.35 cw(c27.65,51.05) 27.95,51.05 ; 27.65,51.35 cw(c27.65,51.05) 27.95,51.05 ; 27.95,49.85 27.95,51.05 ; 27.95,49.85 27.95,51.05
XO_Q2: C12.2 IC1.31 Y1.3 | length 8.5
  Top Layer w0.2: IC1.31@26.2,52.8 ccw(c27.407,52.8) 26.27,52.396 ccw(c27.407,52.8) 26.554,51.946 26.593,51.907 ccw(c26.734,52.049) 26.633,51.876 ; C12.2@30.7,49.94 30.68,49.94 30.17,50.45 Y1.3@29.15,50.45 ; 26.633,51.876 ccw(c27.1,52.678) 26.931,51.766 ; 26.633,51.876 ccw(c27.1,52.678) 26.931,51.766 ; 26.931,51.766 27.525,51.766 ; 26.931,51.766 27.525,51.766 ; 27.525,51.766 cw(c27.525,50.813) 27.701,51.749 ; 27.525,51.766 cw(c27.525,50.813) 27.701,51.749 ; 27.701,51.749 ccw(c27.738,51.946) 27.719,51.747 cw(c27.65,51.05) 28.187,51.5 ; 28.187,51.5 ccw(c28.34,51.628) 28.198,51.487 ; 28.187,51.5 ccw(c28.34,51.628) 28.198,51.487 ; 28.198,51.487 Y1.3@28.919,50.766 ; 28.198,51.487 Y1.3@28.919,50.766 ; Y1.3@28.919,50.766 cw(c28.603,50.45) Y1.3@29.05,50.45 ; Y1.3@28.919,50.766 cw(c28.603,50.45) Y1.3@29.05,50.45 ; Y1.3@29.05,50.45 Y1.3@29.15,50.45 ; Y1.3@29.05,50.45 Y1.3@29.15,50.45
pads on no net: FID1.F FID2.F FID3.F FID4.F IC1.16 IC4.31 IC4.32 J4.4 J5.3 J5.6 J5.7 J5.8 J6.4 J7.2 J7.MP1 J7.MP2 J8.9 SW1.MH1 SW1.MH2 SW1.MP1 SW1.MP2 SW1.MP3 SW1.MP4 U1.3 U1.5 U1.6 U1.7 U1.8 U1.9 U1.10 U1.11 U1.12 U1.13 U1.21 U1.22 U1.23 U1.25 U1.27 U1.28 U1.29 U1.31 U1.32

## Polygon pours and split planes (outlines as drawn)
GND on Top Layer "Top Layer-GND" (solid, pour order 56): 0,0 0,75.5 34,75.5 34,0
no net on Top Layer "Top Layer-No Net" (solid, pour order 52): -13,126.25
5VIN on Top Layer "5VIN_L01_P042" (solid, remove dead copper, pour order 42): 16,41.75 17.75,41.75 cw(c17.75,41.25) 18.25,41.25 18.25,36 ccw(c18.75,36) 18.75,35.5 19.5,35.5 cw(c19.5,35) 20,35 20,33 cw(c19.75,33) 19.75,32.75 17,32.75 cw(c17,33.25) 16.5,33.25 16.5,40.5 16,40.5
3V3 on Top Layer "3V3_L01_P039" (solid, remove dead copper, pour order 39): 12.482,14.85 10.982,14.85 10.982,16.6 13.482,16.6 13.482,15.85 15.982,15.85 15.982,14.85 14.982,13.85 14.482,13.85 14.232,13.6 12.482,13.6
VDD_CC on Top Layer "VDD_CC_L01_P041" (solid, remove dead copper, pour order 41): 15,48 ccw(c15.75,48) 15.75,47.25 20.25,47.25 ccw(c20.25,47.5) 20.5,47.5 20.5,48 cw(c21,48) 21,48.5 21,49.25 ccw(c20.75,49.25) 20.75,49.5 18.25,49.5 cw(c18.25,50) 17.75,50 17.75,50.25 ccw(c17.25,50.25) 17.25,50.75 15.75,50.75 ccw(c15.75,50) 15,50
TRX_SW on Top Layer "TRX_SW_L01_P033" (solid, pour order 33): 22.675,56.625 22.05,56.7 22,56.375 22.675,56.375
3V3 on Top Layer "3V3_L01_P036" (solid, pour order 36): 26.7,31.9 27.7,31.9 27.9,31.7 29.5,31.7 29.6,31.8 cw(c30.1,31.8) 30.1,32.3 cw(c30.1,31.8) 30.6,31.8 30.6,30.1 cw(c30.1,30.1) 30.1,29.6 28.2,29.6 cw(c28.2,30.1) 27.7,30.1 27.7,30.9 ccw(c27.5,30.9) 27.5,31.1 26.7,31.1
5VIN on Top Layer "5VIN_L01_P040" (solid, remove dead copper, pour order 40): 10,8.75 9.5,8.25 9.5,7.25 ccw(c10,7.25) 10,6.75 13.75,6.75 13.75,8.75 cw(c14,8.75) 14,9 14.25,9 ccw(c14.25,9.25) 14.5,9.25 14.5,10.25 ccw(c14.25,10.25) 14.25,10.5 12.75,10.5 ccw(c12.75,10.25) 12.5,10.25 12.5,9.5 cw(c12.25,9.5) 12.25,9.25 11.75,9.25 ccw(c11.75,9) 11.5,9 cw(c11.25,9) 11.25,8.75
VIN on Top Layer "VIN_L01_P037" (solid, remove dead copper, pour order 37): 11,8.75 11,10.75 9.604,10.75 ccw(c9.604,9.896) 9,10.5 8.927,10.427 cw(c8.5,10.854) 8.5,10.25 8.25,10.25 ccw(c8.25,8.75) 6.75,8.75 ccw(c8,8.75) 8,7.5 8.293,7.5 ccw(c8.293,9.207) 9.5,8 cw(c10.104,8) 9.677,8.427 10,8.75
LNA_P on Top Layer "LNA_P_L01_P034" (solid, remove dead copper, pour order 34): 22.7,55.875 21.95,55.85 21.975,56.15 22.7,56.125
LNA_N on Top Layer "LNA_N_L01_P035" (solid, pour order 35): 22.775,55.625 21.925,55.625 21.925,55.3 22.75,55.375
VO_CC on Top Layer "VO_CC_L01_P038" (solid, remove dead copper, pour order 38): 15.9,45.9 cw(c17.2,45.9) 17.2,47.2 19.3,47.2 cw(c19.3,47) 19.5,47 19.5,46.583 ccw(c20.183,46.583) 19.7,46.1 19.729,46.071 ccw(c19.9,46.241) 19.9,46 cw(c19.9,45.759) 20.071,45.929 20.2,45.8 20.2,45.3 ccw(c20.441,45.541) 20.441,45.2 21.2,45.2 cw(c21.2,44.9) 21.5,44.9 21.5,44.5 cw(c21.3,44.5) 21.3,44.3 18.724,44.3 cw(c18.724,45.324) 18,44.6 ccw(c17.759,44.359) 17.759,44.7 16.2,44.7 cw(c16.2,45) 15.9,45
GND on Layer 1 "GND_L03_P048" (solid, remove dead copper, pour order 48): 0,75.5 0,0 34,0 34,75.5
3V3 on Layer 1 "3V3_L03_P046" (solid, pour order 46): 9.8,16 cw(c10.5,16) 10.5,16.7 11.2,16.7 cw(c11.2,16) 11.9,16 11.9,15.3 cw(c11.2,15.3) 11.2,14.6 10.5,14.6 cw(c10.5,15.3) 9.8,15.3
VDD_CC on Layer 1 "VDD_CC_L03_P047" (solid, remove dead copper, pour order 47): 31,66.5 19,66.5 ccw(c19,65.5) 18,65.5 18,61.2 cw(c17.2,61.2) 17.2,60.4 ccw(c17.2,59.2) 16,59.2 16,52.707 cw(c14.293,52.707) 15.5,51.5 ccw(c16.707,50.293) 15,50.293 15,48.04 ccw(c17.54,48.04) 17.54,45.5 31,45.5
3V3 on Layer 1 "3V3_L03_P045" (solid, pour order 45): 30.1,32.4 ccw(c30.1,31.8) 29.5,31.8 29.5,30.2 ccw(c30.1,30.2) 30.1,29.6 ccw(c30.1,30.2) 30.7,30.2 30.7,31.8 ccw(c30.1,31.8)
no net on Layer 1 "NONET_L03_P044" (solid, pour order 44): 27.9,31.7
GND on Bottom Layer "GND_L04_P049" (solid, remove dead copper, pour order 49): 0,0 0,75.5 34,75.5 34,0
GND on Layer 2 "GND_L02_P050" (solid, pour order 50): 0,0 34,0 34,75.5 0,75.5

## Keep-outs
Keep-Out Layer:
  lines w0.2: 0,0 0,75.5 34,75.5 34,0 0,0

## Other copper
Top Layer:
  pour cut-out: 29,14.5 cw(c30,14.5) 30,15.5 cw(c30,14.5) 31,14.5 cw(c30,14.5) 30,13.5 cw(c30,14.5)
  pour cut-out: 16.481,30.805 cw(c17.481,30.805) 17.481,31.805 cw(c17.481,30.805) 18.481,30.805 cw(c17.481,30.805) 17.481,29.805 cw(c17.481,30.805)
  pour cut-out: 33.038,60.542 cw(c32.038,60.542) 32.038,59.542 cw(c32.038,60.542) 31.038,60.542 cw(c32.038,60.542) 32.038,61.542 cw(c32.038,60.542) 33.038,60.542
  pour cut-out: 20,50.25 cw(c19,50.25) 19,49.25 cw(c19,50.25) 18,50.25 cw(c19,50.25) 19,51.25 cw(c19,50.25)
  region: 1.95,20.35
  region: 2,20.7

## Silkscreen, mask and mechanical layers (free items; w line width, h text height)
Top Overlay:
  region: 9.701,11.75 10.9,11.75 ccw(c10.9,12.05) 11.2,12.05 ccw(c11.146,12.05) 11.146,12.104 9.699,12.104
  region: 9.699,69.493 11.3,71.094 9.699,71.084
  region: 9.731,37.25 10.2,37.25 11.3,38.4 9.699,38.375
  region: 10,28 10.79,28 11.421,28.75 10,28.75
  lines w0.2: 9.699,15.068 11.132,15.068 11.2,15 11.2,12.05 10.9,11.75 9.701,11.75 ; 9.699,32.378 11.278,32.378 11.3,32.356 11.3,28.75 ; 9.699,42.068 11.268,42.068 11.3,42.036 11.3,38.4 10.15,37.25 9.731,37.25 ; 9.699,69.493 11.3,71.094 11.3,74.748 9.699,74.748
  text "ADC" at 10.183,74.548 h1.6 r270
  text "DAC" at 10.183,41.868 h1.6 r270
  text "USB" at 10.183,32.178 h1.6 r270
  text "VIN" at 9.899,14.868 h1.6 r270
  text "RX" at 1.5,1.5 h1.52
  text "TX" at 13.75,1.5 h1.52
Bottom Overlay:
  drawing of 54 lines, arcs and shapes, not listed
  text "GND" at 6.358,71.677 h2.25
  text "ADC3" at 6.458,68.067 h2.25
  text "GND" at 6.358,64.057 h2.25
  text "ADC2" at 6.458,60.447 h2.25
  text "GND" at 6.358,56.437 h2.25
  text "i" at 24.75,55 h6 r270
  text "ADC1" at 6.458,52.827 h2.25
  text "GND" at 6.358,48.817 h2.25
  text "ADC0" at 6.458,45.207 h2.25
  text "ADC/Multipurpose" at 10.733,43.8 h3 r270
  text "GND" at 6.358,39.038 h2.25
  text "DAC" at 6.358,35.301 h2.25
  text "DAC" at 10.733,33.9 h3 r270
  text "Inst Date : ______ / ____ / ____" at 24.75,27 h2 r270
  text "Mfr Date : ______ / ____ / ____" at 29.75,27 h2 r270
  text "GND" at 6.358,11.987 h2.25
  text "IOT-SUB1G" at 24.75,8.75 h3 r270
  text "QC By:" at 29.75,8.724 h2 r270
  text "VIN +" at 6.358,8.052 h2.25
  text "Vin" at 10.2,6.9 h3 r270

## Text inside footprints (layer, text, board x,y; h text height)
J7: Top Overlay "12" at 24.2,8.45 h1.02 r180; Top Overlay "1" at 31.1,8.45 h1.02 r180